# Altium PCB ZeroPilot3.0.PcbDoc (part 2 of 2)
Units mm, origin at the board's own origin, x right, y up, seen from the top; angles counter-clockwise.
Board outline 75 x 75 mm, 4 copper layers (L01, L02, L03, L04), stack 1.564 mm thick; 136 components, 114 nets, 604 pads, 529 vias.
Unrouted connection lines stored in the file: 6.
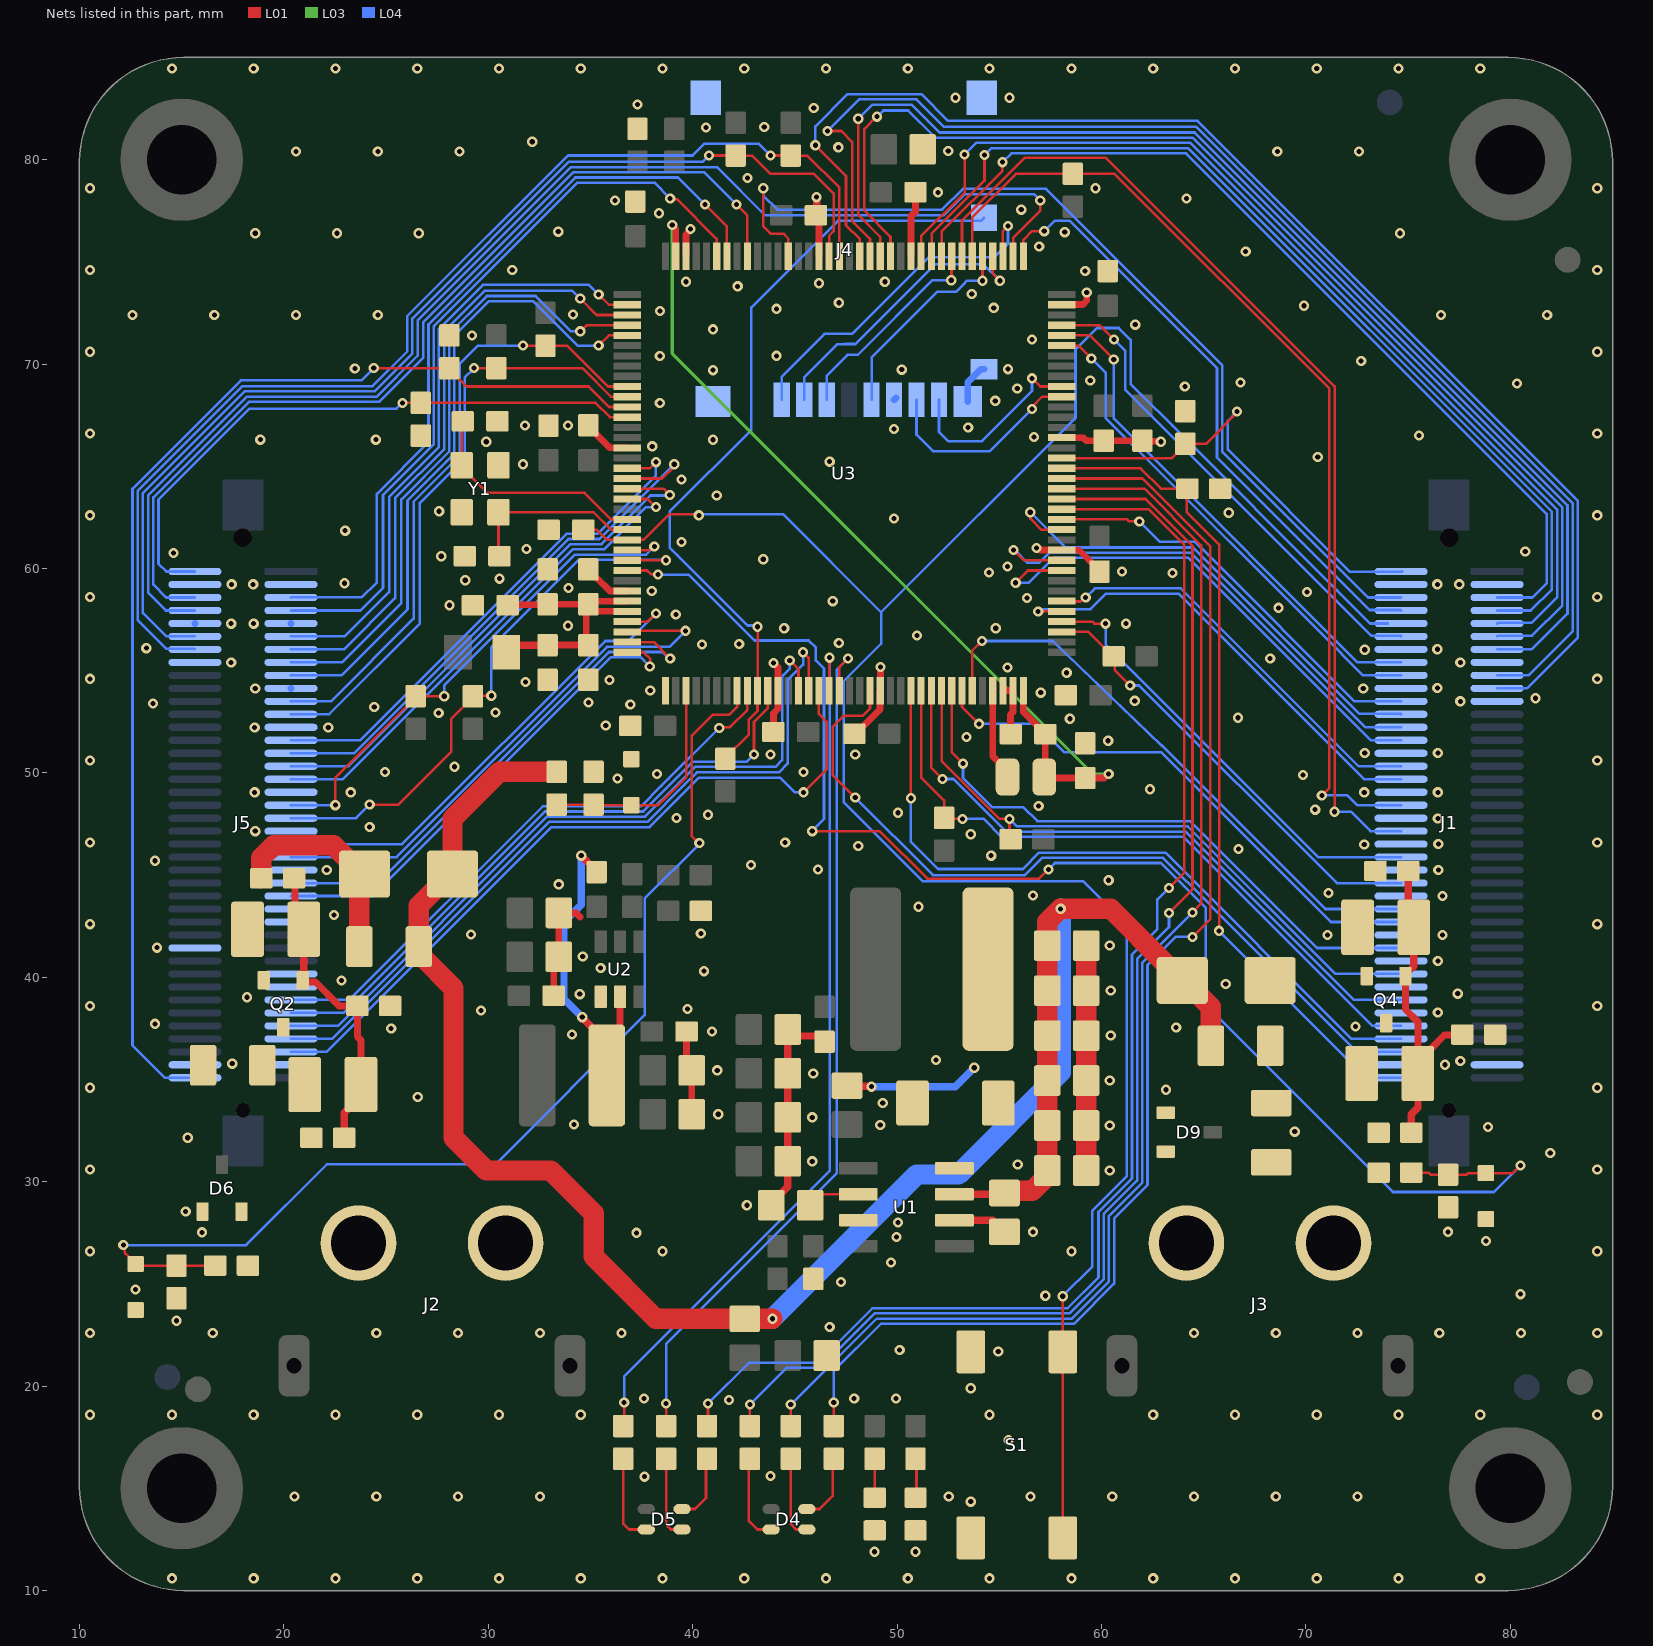
[diagram p4: the nets of this part, all layers, seen from the top]

## Via types
v1: diameter 0.5, hole 0.25, L01 to L04, tented both sides, 529 vias

## Nets (pads, with @x,y where several pads share a name; then routed paths per layer and width w, separated by ;. In a path a pad name is that pad's centre, name@x,y a point inside that pad or via, vN(x,y) a via of type N, cw(c..) or ccw(c..) an arc to the next point about the centre after c; other vN are vias at no path point) (continued)
GND: C1.1 C2.1 C3.1 C4.1 C5.1 C6.1 C8.1 C9.1 C11.1 C12.1 C13.1 C14.1 C15.1 C16.1 C17.1 C18.1 C19.1 C20.1 C21.1 C22.1 C23.1 C24.1 C25.1 C26.1 C27.1 C28.1 C29.1 C30.1 C31.1 C32.1 C33.1 C34.1 C35.1 C36.1 C39.1 C40.1 C43.1 C44.1 C45.1 C46.1 C47.1 C48.1 C49.1 D1.1 D2.2 D3.2 D6.1 D8.1 D9.1 D11.1 D12.1 J1.2 J1.8 J1.11 J1.39 J1.42 J1.47 J1.50 J1.55 J1.58 J1.60 J1.62 J1.64 J1.66 J1.69 J1.71 J1.73 J1.75 J1.79 J2.2 J3.2 J4.6 J4.10 J4.G1 J4.G2 J4.G3 J4.G4 J5.2 J5.5 J5.10 J5.13 J5.18 J5.21 J5.24 J5.27 J5.28 J5.32 J5.33 J5.39 J5.42 J5.45 J5.48 J5.70 J5.79 R3.1 R5.1 R13.1 R27.1 R36.1 R37.1 R48.1 R49.1 R50.1 R54.1 R55.1 R56.1 R57.1 S1.3 S1.4 U1.3 U1.6 U2.1 U3.16 U3.30 U3.37 U3.48 U3.58 U3.70 U3.71 U3.83 U3.94 U3.107 U3.120 U3.129 U3.142 Y1.2 Y1.4 | length 68.5
  L01 w0.33: C30.1@33.2,39.1 33.2,40.75 C13.1@33.45,41 C14.1@33.45,43.15 34.3,43.15 34.494,42.956 ; C47.1@34.9,59.95 34.9,59.9 35.235,59.565 35.285,59.565 35.95,58.9 U3.30@36.8,58.9 ; C19.1@34.9,67 34.9,66.95 35.95,65.9 U3.16@36.8,65.9 ; U3.142@39.675,75.275 39.675,76.329 39.9,76.554 v1(39.9,76.6) ; C9.1@39.7,37.35 39.7,35.7 C8.1@39.95,35.45 C2.1@39.95,33.3 ; C22.1@43.95,52 43.95,52.915 44.175,53.14 U3.48@44.175,54.025 44.175,55.15 v1(43.95,55.375) ; C17.1@46.115,76.985 46.135,76.985 46.175,76.945 U3.129@46.175,75.275 ; C23.1@47.916,51.916 47.966,51.916 48.471,52.422 48.482,52.422 49.165,53.104 49.165,54.015 U3.58@49.175,54.025 49.185,54.035 v1(49.185,55.185) ; U3.120@50.675,75.275 50.675,77.225 ; U3.70@55.185,54.015 U3.70@55.175,54.025 U3.71@55.675,54.025 55.675,52.975 55.55,52.85 C16.1@55.55,51.9 ; v1(56.825,61) 56.871,61 56.971,60.9 U3.83@58.05,60.9 58.06,60.89 58.91,60.89 C25.1@59.8,60 ; U3.94@58.05,66.4 59.1,66.4 59.25,66.25 C27.1@62,66.25 62.028,66.222 62.878,66.222 v1(62.9,66.2) ; U3.107@58.05,72.9 58.06,72.91 59.085,72.91 59.278,73.103 59.278,73.497 v1(59.275,73.5)
  L01 w0.356: C15.1@43.85,28.85 43.85,28.95 44.65,29.75 C11.1@44.65,31 C4.1@44.65,33.15 C12.1@44.65,35.3 C6.1@44.65,37.45 44.972,37.128 46.172,37.128 C5.1@46.45,36.85 ; C17.1@45.976,77.28 46.063,77.367 v1(46.063,78.163) ; 50.675,77.225 50.9,77.45 C29.1@50.9,78.4 ; U1.6@52.8,28.115 54.685,28.115 C1.1@55.25,27.55 C1.1@55.35,27.55
  L01 w1: C44.1@59.25,30.55 C49.1@59.25,32.75 C39.1@59.25,34.95 C40.1@59.25,37.15 C43.1@59.25,39.35 C3.1@59.25,41.55
  L04 w0.33: J5.45@15.65,57.31 J5.45@15.654,57.306 ; J5.10@20.346,54.131 J5.10@20.35,54.135 ; J5.5@20.346,57.306 J5.5@20.35,57.31 ; J4.6@49.85,68.25 J4.6@49.942,68.342 ; J4.G1@53.45,68.17 53.45,69.1 54.1,69.75 J4.10@54.25,69.75
  other v1: 14.525,10.6 18.525,10.6 22.525,10.6 26.525,10.6 30.525,10.6 34.525,10.6 38.525,10.6 42.525,10.6 46.525,10.6 50.525,10.6 54.525,10.6 58.525,10.6 62.525,10.6 66.525,10.6 70.525,10.6 74.525,10.6 78.525,10.6 48.9,11.9 50.9,11.9 53.6,14.35 20.525,14.6 24.525,14.6 28.525,14.6 32.525,14.6 52.525,14.6 56.525,14.6 60.525,14.6 64.525,14.6 68.525,14.6 72.525,14.6 37.65,15.575 43.8,15.6 55.45,17.35 10.525,18.6 14.525,18.6 18.525,18.6 22.525,18.6 26.525,18.6 30.525,18.6 34.525,18.6 54.525,18.6 62.525,18.6 66.525,18.6 70.525,18.6 74.525,18.6 78.525,18.6 84.25,18.6 41.775,19.325 37.625,19.4 47.9,19.4 49.95,19.4 53.6,19.9 54.95,21.7 50.125,21.775 10.525,22.6 16.525,22.6 24.525,22.6 28.525,22.6 32.525,22.6 36.525,22.6 64.525,22.6 68.525,22.6 72.525,22.6 76.525,22.6 80.525,22.6 84.25,22.6 46.7,22.9 14.75,23.2 57.25,24.425 80.5,24.5 12.75,24.725 47.25,25.1 49.7,26.05 10.525,26.6 38.525,26.6 58.525,26.6 84.25,26.6 78.8,27.1 49.975,27.3 37.25,27.5 16,27.525 56.65,27.55 76.95,27.55 50.05,28 15.2,28.55 42.65,28.85 60.4,30.55 10.525,30.6 84.25,30.6 55.9,30.85 45.85,31 81.95,31.4 15.3,32.15 69.45,32.45 78.9,32.675 60.4,32.75 49.175,32.775 34.2,32.8 45.85,33.15 41.25,33.3 49.3,33.85 26.55,34.15 63.15,34.5 10.525,34.6 84.25,34.6 60.4,34.95 45.9,35.3 41.2,35.45 76.8,35.725 17.475,35.775 77.55,35.9 51.9,35.95 60.45,37.15 34.1,37.2 40.95,37.35 25.25,37.5 63.65,37.55 72.425,37.6 13.7,37.725 76.45,38.275 29.65,38.375 39.75,38.45 10.525,38.6 84.25,38.6 18.2,39.025 34.475,39.175 77.425,39.2 60.45,39.35 66.075,39.675 22.825,39.85 40.55,40.3 35.5,40.45 76.45,40.8 34.625,41.025 13.8,41.45 60.4,41.55 71.05,42.075 76.675,42.075 29.15,42.1 40.4,42.15 10.525,42.6 84.25,42.6 22.45,43.05 51.05,43.45 76.675,43.975 56.65,44 71.1,44.125 33.45,44.55 60.35,44.75 22.1,45.25 76.475,45.25 46.125,45.275 42.85,45.5 13.7,45.7 54.6,45.95 66.7,46.275 48.1,46.425 72.85,46.5 76.475,46.525 10.525,46.6 44.525,46.6 84.25,46.6 53.6,47 18.6,47.15 24.2,47.35 76.45,47.775 39.215,47.796 40.75,47.95 50.05,48.05 70.45,48.2 56.925,48.375 18.575,49.05 23.275,49.05 72.85,49.05 76.45,49.05 62.375,49.2 36.325,49.725 69.85,49.9 38.25,49.95 24.95,50.05 45.425,50.05 28.35,50.3 10.525,50.6 84.25,50.6 43.8,50.9 47.95,50.9 72.875,50.975 76.45,50.975 60.325,51.575 53.4,51.75 18.575,52.225 22.175,52.225 35.75,52.325 58.45,52.65 66.675,52.7 27.575,52.925 30.35,52.95 24.425,53.225 36.95,53.35 13.6,53.4 34.9,53.45 77.55,53.5 61.625,53.525 81.225,53.65 57.025,53.925 37.925,54.025 18.6,54.125 72.8,54.125 76.425,54.15 31.825,54.45 35.925,54.55 10.525,54.6 84.25,54.6 58.294,54.896 55.4,55.15 17.425,55.4 77.55,55.4 68.25,55.6 72.875,56.025 76.425,56.05 13.275,56.1 40.45,56.275 42.275,56.3 47.15,56.35 50.975,56.725 44.475,57.075 54.825,57.075 33.9,57.2 17.425,57.3 18.525,57.3 61.2,57.3 39.175,57.75 68.65,58.075 28.1,58.2 46.85,58.4 56.35,58.55 10.525,58.6 84.25,58.6 70.05,58.85 38,58.9 33.925,59.05 17.45,59.225 18.5,59.225 76.425,59.225 77.5,59.225 22.975,59.275 28.875,59.425 30.55,59.5 63.475,59.775 54.5,59.8 61,59.85 55.4,60.1 43.45,60.45 27.7,60.6 14.6,60.75 80.725,60.825 31.875,60.95 39.45,61.3 23,61.85 49.85,62.45 10.525,62.6 84.25,62.6 66.225,62.725 27.6,62.8 41.175,63.575 39.45,64.35 31.7,65.1 46.7,65.225 70.575,65.45 38.025,65.975 29.9,66.2 18.85,66.3 24.5,66.3 40.994,66.296 56.7,66.425 75.525,66.5 10.525,66.6 84.25,66.6 49.85,66.825 53.475,66.9 31.8,67 33.9,67 38.394,68.096 54.8,68.2 55.875,68.8 64.075,68.9 80.325,69.05 66.794,69.096 59.45,69.2 41,69.7 50.225,69.725 55.425,69.75 23.475,69.775 72.7,70.15 38.394,70.396 44.1,70.4 10.525,70.6 84.25,70.6 56.6,71.2 29.2,71.4 40.994,71.696 61.65,71.925 12.6,72.4 16.6,72.4 20.6,72.4 24.6,72.4 76.6,72.4 81.8,72.4 34.15,72.425 38.4,72.6 44.1,72.7 54.725,72.75 69.9,72.85 47.15,73 53.65,73.425 42.2,73.8 46.175,73.95 39.675,74.025 49.4,74.025 59.2,74.55 10.525,74.6 31.175,74.6 84.25,74.6 67.05,75.5 56.95,75.75 18.6,76.4 22.6,76.4 26.6,76.4 74.6,76.4 58.2,76.45 33.425,76.475 38.35,77.375 56.075,77.55 36.2,78 64.15,78.1 52,78.4 10.525,78.6 59.7,78.6 84.25,78.6 42.675,79.1 20.6,80.4 24.6,80.4 28.6,80.4 68.6,80.4 72.6,80.4 52.5,80.425 47.125,80.6 32.15,80.875 40.65,81.575 43.5,81.6 45.925,82.525 37.3,82.7 52.85,83.025 55.5,83.025 14.525,84.45 18.525,84.45 22.525,84.45 26.525,84.45 30.525,84.45 34.525,84.45 38.525,84.45 42.525,84.45 46.525,84.45 50.525,84.45 54.525,84.45 58.525,84.45 62.525,84.45 66.525,84.45 70.525,84.45 74.525,84.45 78.525,84.45
GPIO_1: J5.34 U3.45 | length 29.2
  L01 w0.127: v1(41.3,52.2) 41.334,52.234 41.834,52.234 42.675,53.075 U3.45@42.675,54.025
  L04 w0.127: J5.34@20.35,38.895 23.195,38.895 32.666,48.366 37.466,48.366 38.483,49.382 38.485,49.382 38.817,49.715 38.817,49.717 v1(41.3,52.2)
GPIO_2: J5.35 U3.47 | length 31.3
  L01 w0.127: v1(43,50.9) 43,52.5 43.675,53.175 U3.47@43.675,54.025
  L04 w0.127: J5.35@20.35,38.26 22.919,38.26 32.771,48.112 37.574,48.112 39.071,49.61 39.071,49.612 40.013,50.554 42.654,50.554 v1(43,50.9)
GPIO_3: J5.36 U3.50 | length 36.1
  L01 w0.127: v1(44.75,55.5) 45.175,55.075 U3.50@45.175,54.025
  L04 w0.127: J5.36@20.35,37.625 22.643,37.625 32.876,47.858 37.679,47.858 39.325,49.505 39.325,49.507 40.118,50.3 44.05,50.3 44.375,50.625 44.375,54.725 44.75,55.1 v1(44.75,55.5)
GPIO_4: J5.37 U3.51 | length 37.6
  L01 w0.127: v1(45.4,55.9) 45.675,55.625 U3.51@45.675,54.025
  L04 w0.127: J5.37@20.35,36.99 22.368,36.99 32.982,47.604 37.784,47.604 39.579,49.399 39.579,49.402 40.203,50.025 44.225,50.025 44.65,50.45 44.65,54.55 45.4,55.3 v1(45.4,55.9)
GPIO_5: J5.38 U3.52 | length 36.5
  L01 w0.127: v1(45.425,49.05) 46.55,50.175 46.55,52.5 46.175,52.875 U3.52@46.175,54.025
  L04 w0.127: J5.38@20.35,36.355 22.092,36.355 33.087,47.35 37.889,47.35 39.874,49.335 39.874,49.338 40.308,49.771 44.279,49.771 45,49.05 v1(45.425,49.05)
GPIO_6: J1.3 U3.117 | length 46.1
  L01 w0.127: U3.117@52.175,75.275 52.175,76.475 55.15,79.45 v1(55.15,79.875)
  L04 w0.127: v1(55.15,79.875) 55.584,80.309 64.136,80.309 81.776,62.669 81.776,59.276 81.08,58.58 J1.3@79.35,58.58
GPIO_7: J1.4 U3.118 | length 48.2
  L01 w0.127: U3.118@51.675,75.275 51.688,75.288 51.688,76.388 54.275,78.975 v1(54.275,80.225)
  L04 w0.127: v1(54.275,80.225) 54.613,80.563 64.241,80.563 82.03,62.774 82.03,58.98 80.995,57.945 J1.4@79.35,57.945
GPIO_8: J1.5 U3.119 | length 50.3
  L01 w0.127: U3.119@51.175,75.275 51.179,75.279 51.179,76.254 53.3,78.375 v1(53.3,80.25)
  L04 w0.127: v1(53.3,80.25) 53.867,80.817 64.346,80.817 82.284,62.879 82.284,58.584 81.053,57.353 79.393,57.353 J1.5@79.35,57.31
GPIO_9: J1.6 U3.122 | length 57.9
  L01 w0.127: v1(49.023,82.1) 49.003,82.1 48.4,81.497 48.4,77.5 49.675,76.225 U3.122@49.675,75.275
  L04 w0.127: v1(49.023,82.1) 49.323,82.4 50.541,82.4 51.866,81.075 51.966,81.075 51.97,81.071 64.452,81.071 82.538,62.985 82.538,58.188 81.068,56.718 79.393,56.718 J1.6@79.35,56.675
GPIO_10: J1.7 U3.123 | length 59.7
  L01 w0.127: v1(48.1,82) 48.1,77.3 49.175,76.225 U3.123@49.175,75.275
  L04 w0.127: v1(48.1,82) 48.792,82.692 50.708,82.692 52.075,81.325 64.557,81.325 82.792,63.09 82.792,57.792 81.04,56.04 J1.7@79.35,56.04
GPIO_IL_A: J1.41 R54.2 U3.92 | length 22.4
  L01 w0.127: U3.92@58.05,65.4 63.444,65.4 64.1,66.056 R54.2@64.1,66.1 ; R54.2@64.3,66.1 64.4,66.1 64.5,66.1 65.1,66.1 66.625,67.625 v1(66.625,67.675)
  L04 w0.127: v1(66.625,67.675) 66.175,67.225 66.175,65.809 72.147,59.838 74.678,59.838 J1.41@74.7,59.859
GPIO_IL_B: J1.80 R55.2 U3.91 | length 40.7
  L01 w0.127: U3.91@58.05,64.9 61.906,64.9 62.906,63.9 R55.2@64.2,63.9 ; R55.2@64.164,63.9 64.164,62.761 65.75,61.175 v1(65.75,42.275)
  L04 w0.127: v1(65.75,42.275) 72.94,35.085 J1.80@74.65,35.085
GPIO_IL_C: J5.41 R56.2 U3.13 | length 30.3
  L01 w0.127: v1(25.8,68.1) R56.2@26.7,68.1 35.25,68.1 35.95,67.4 U3.13@36.8,67.4
  L04 w0.127: J5.41@15.65,59.85 14.25,59.85 13.87,60.23 13.87,63.37 18.32,67.82 25.52,67.82 v1(25.8,68.1)
GPIO_IL_D: J5.80 R57.2 U3.12 | length 58.4
  L01 w0.127: v1(24.4,69.8) R57.2@28.1,69.8 ; R57.2@28.084,69.759 28.944,68.9 34.907,68.9 35.907,67.9 U3.12@36.8,67.9
  L04 w0.127: J5.80@15.65,35.085 14.18,35.085 12.6,36.665 12.6,63.896 17.904,69.2 23.8,69.2 v1(24.4,69.8)
I2C1_SCL: J5.46 R9.1 U3.128 | length 54.3
  L01 w0.127: v1(40.8,80.2) R9.1@42.1,80.2 ; R9.1@42.2,80.181 42.919,80.181 43.8,79.3 45.941,79.3 46.9,78.341 46.9,76.5 46.675,76.275 U3.128@46.675,75.275
  L04 w0.127: J5.46@15.65,56.675 14.25,56.675 13.108,57.817 13.108,63.686 18.084,68.662 24.444,68.662 26.292,70.51 26.292,72.233 33.959,79.9 40.5,79.9 v1(40.8,80.2)
I2C1_SDA: J5.47 R8.1 U3.127 | length 56.2
  L01 w0.127: v1(43.8,80.2) R8.1@44.8,80.2 ; R8.1@44.887,80.198 45.602,80.198 47.175,78.625 U3.127@47.175,75.275
  L04 w0.127: J5.47@15.65,56.04 15.627,56.063 14.262,56.063 12.854,57.471 12.854,63.791 17.979,68.916 24.338,68.916 26.038,70.616 26.038,72.338 33.9,80.2 39.997,80.2 40.565,80.767 43.232,80.767 v1(43.8,80.2)
I2C2_SCL: J5.12 R15.1 U3.11 | length 29.8
  L01 w0.127: v1(29.3,69.8) 29.4,69.8 R15.1@30.4,69.8 34.6,69.8 36,68.4 U3.11@36.8,68.4
  L04 w0.127: J5.12@20.35,52.865 20.354,52.869 22.219,52.869 26.65,57.3 26.65,63.204 28.854,65.408 28.854,69.354 29.219,69.719 v1(29.3,69.8)
I2C2_SDA: J5.11 R14.1 U3.10 | length 30.5
  L01 w0.127: v1(31.7,70.9) R14.1@32.8,70.9 33.859,70.9 35.859,68.9 U3.10@36.8,68.9
  L04 w0.127: J5.11@20.35,53.5 20.354,53.504 22.304,53.504 26.35,57.55 26.35,63.263 28.6,65.513 28.6,70 29.5,70.9 v1(31.7,70.9)
I2C3_SCL: J5.19 R21.1 U3.26 | length 25.6
  L01 w0.127: v1(22.52,48.42) 22.52,49.77 26.45,53.7 R21.1@26.45,53.75 v1(27.85,53.75) ; U3.26@36.8,60.9 37.864,60.9 38.039,61.075 v1(38.125,61.075)
  L04 w0.127: J5.19@20.35,48.42 v1(22.52,48.42) ; v1(27.85,53.75) 27.85,54.291 34.234,60.675 34.316,60.675 34.32,60.679 37.729,60.679 v1(38.125,61.075)
I2C3_SDA: J5.20 R20.1 U3.27 | length 27.9
  L01 w0.127: v1(24.2,48.45) 25.6,48.45 28.2,51.05 28.2,52.65 29.25,53.7 R20.1@29.25,53.75 29.275,53.775 v1(30.15,53.775) ; U3.27@36.8,60.4 v1(38.7,60.4)
  L04 w0.127: J5.20@20.35,47.785 23.535,47.785 v1(24.2,48.45) ; v1(30.15,53.775) 30.15,56.15 34.425,60.425 38.675,60.425 v1(38.7,60.4)
LED1: R53.2 U3.53 | length 43.6
  L01 w0.127: R53.2@36.65,17.85 v1(36.65,19.2) ; U3.53@46.675,54.025 46.688,54.037 v1(46.688,55.638)
  L04 w0.127: v1(36.65,19.2) 36.65,20.475 46.704,30.529 46.704,55.621 v1(46.688,55.638)
LED2: R52.2 U3.54 | length 43.2
  L01 w0.127: R52.2@38.7,17.8 v1(38.7,19.15) ; U3.54@47.175,54.025 47.175,55.187 47.588,55.6 v1(47.6,55.6)
  L04 w0.127: v1(38.7,19.15) 38.7,22.075 47.05,30.425 47.05,55.05 v1(47.6,55.6)
LED3: R25.2 U3.87 | length 67.4
  L01 w0.127: R25.2@40.7,17.7 40.75,17.75 v1(40.75,19.15) ; U3.87@58.05,62.9 62.3,62.9 64.05,61.15 64.05,45.125 v1(63.3,44.375)
  L04 w0.127: v1(40.75,19.15) 42.746,21.146 46.128,21.146 48.794,23.812 58.334,23.812 59.85,25.328 59.85,28.528 61.488,30.166 61.488,41.113 62.733,42.357 62.733,43.385 62.735,43.388 62.735,43.81 v1(63.3,44.375)
LED4: R24.2 U3.88 | length 66.3
  L01 w0.127: R24.2@42.8,17.7 v1(42.8,19.1) ; U3.88@58.05,63.4 62.159,63.4 64.45,61.109 64.45,44.3 v1(63.3,43.15)
  L04 w0.127: v1(42.8,19.1) 44.592,20.892 46.233,20.892 48.899,23.558 58.44,23.558 60.104,25.222 60.104,28.422 61.742,30.06 61.742,40.892 63.3,42.45 v1(63.3,43.15)
LED5: R23.2 U3.89 | length 65.3
  L01 w0.127: R23.2@44.8,17.7 v1(44.8,19.1) ; U3.89@58.05,63.9 62.1,63.9 64.875,61.125 64.875,43.6 v1(64.45,43.175)
  L04 w0.127: v1(44.8,19.1) 49.004,23.304 58.545,23.304 60.358,25.117 60.358,28.317 61.996,29.955 61.996,40.715 v1@64.45,43.169
LED6: R22.2 U3.90 | length 65.7
  L01 w0.127: R22.2@46.9,17.7 v1(46.9,19.2) ; U3.90@58.05,64.4 62,64.4 65.325,61.075 65.325,42.85 v1(64.45,41.975)
  L04 w0.127: v1(46.9,19.2) 46.9,20.75 49.2,23.05 58.65,23.05 60.612,25.012 60.612,28.212 62.25,29.85 62.25,40.6 63.625,41.975 v1(64.45,41.975)
LPUART1_RX: J1.68 U3.66 | length 26.6
  L01 w0.127: U3.66@53.175,54.025 53.175,53.225 v1(54,52.4)
  L04 w0.127: v1(54,52.4) 56.8,52.4 58.2,51 62.926,51 71.221,42.705 J1.68@74.65,42.705
LPUART1_TX: J1.67 U3.67 | length 28.5
  L01 w0.127: U3.67@53.675,54.025 53.675,55.975 v1(54.15,56.45)
  L04 w0.127: v1(54.15,56.45) 57.615,56.45 62.944,51.339 62.981,51.304 70.945,43.34 J1.67@74.65,43.34
NetC35_2: C35.2 U3.23 Y1.1 | length 11.3
  L01 w0.127: Y1.1@28.7,64.967 29.967,63.7 34.713,63.7 36.009,62.405 36.795,62.405 U3.23@36.8,62.4 ; Y1.1@28.7,65.05 28.7,67.15 C35.2@28.75,67.2
NetC36_2: C36.2 U3.24 Y1.3 | length 8.8
  L01 w0.127: C36.2@30.55,60.6 30.5,60.65 Y1.3@30.5,62.75 35.159,62.75 36.009,61.901 U3.24@36.8,61.9
NetC37_1: C37.1 C38.1 Q2.1 R32.1 R34.1 R36.2 | length 15.3
  L01 w0.356: R32.1@20.5,44.85 20.55,44.8 20.55,42.775 C38.1@20.975,42.35 20.975,39.912 Q2.1@20.923,39.86 21.014,39.769 21.548,39.769 22.717,38.6 R36.2@23.65,38.6 ; R34.1@22.95,32.15 22.95,33.375 23.775,34.2 23.775,36.925 23.6,37.1 R36.2@23.6,38.6
NetC38_2: C38.2 D7.1 Q2.2 R29.2 R30.1 R32.2 | length 10.5
  L01 w1: R32.2@18.9,44.85 18.9,45.85 19.5,46.45 22.45,46.45 23.85,45.05 D7.1@23.95,45.05 23.7,44.8 R30.1@23.7,41.5
NetC41_1: C41.1 C42.1 Q4.1 R43.1 R46.1 R48.2 | length 16.7
  L01 w0.356: Q4.1@74.873,39.91 74.873,38.427 75.475,37.825 C41.1@75.475,35.3 ; Q4.1@74.873,40.06 74.873,40.21 74.995,40.332 75.067,40.332 75.275,40.541 C42.1@75.275,42.45 75,42.725 R43.1@75,45.2 ; R46.1@75.15,32.4 75.15,33.3 75.475,33.625 C41.1@75.475,35.3 ; R48.2@77.65,37.2 77.625,37.175 76.775,37.175 76.097,36.497 76.097,35.922 C41.1@75.475,35.3
NetC42_2: C42.2 D10.1 Q4.2 R40.2 R41.1 R43.2
NetD2_1: D2.1 R6.1 | length 1.4
  L01 w0.127: D2.1@48.9,14.545 R6.1@48.9,15.95
NetD3_1: D3.1 R7.1 | length 1.4
  L01 w0.127: D3.1@50.95,14.545 R7.1@50.95,15.95
NetD4_2: D4.2 R22.1 | length 2.9
  L01 w0.127: D4.2@45.585,13.99 46.215,13.99 46.85,14.625 R22.1@46.85,15.95
NetD4_3: D4.3 R23.1 | length 4.1
  L01 w0.127: R23.1@44.8,16.45 44.8,13.25 45.06,12.99 D4.3@45.585,12.99
NetD4_4: D4.4 R24.1 | length 3.8
  L01 w0.127: R24.1@42.75,15.95 42.75,13.4 43.16,12.99 D4.4@43.835,12.99
NetD5_2: D5.2 R25.1 | length 2.8
  L01 w0.127: D5.2@39.48,13.99 40.115,13.99 40.65,14.525 40.65,15.9 R25.1@40.7,15.95
NetD5_3: D5.3 R52.1 | length 3.6
  L01 w0.127: R52.1@38.65,15.95 38.705,15.895 38.705,13.22 38.935,12.99 D5.3@39.48,12.99
NetD5_4: D5.4 R53.1 | length 3.9
  L01 w0.127: R53.1@36.6,15.95 36.6,13.275 36.885,12.99 D5.4@37.73,12.99
NetD8_2: D8.2 R35.1 R37.2 U3.44 | length 53.8
  L01 w0.127: v1(12.15,26.9) 12.221,26.829 12.221,26.504 12.825,25.9 R35.1@16.647,25.9 ; v1(40.325,46.575) 40.288,46.575 39.95,46.913 39.95,51.8 41,52.85 41.791,52.85 42.175,53.234 U3.44@42.175,54.025
  L04 w0.127: v1(12.15,26.9) 18.15,26.9 22.1,30.85 30.35,30.85 37.65,38.15 37.65,43.85 40.325,46.525 v1(40.325,46.575)
NetD12_2: D12.2 R47.1 R50.2 U3.28 | length 71.7
  L01 w0.127: U3.28@36.8,59.9 37.775,59.9 37.953,59.722 38.277,59.722 v1(38.299,59.7) ; v1(45.85,47.15) 49.15,47.15 51.475,44.825 56.95,44.825 v1(57.4,45.275) ; R47.1@75.15,30.45 76,30.45 76.1,30.35 R50.2@76.95,30.35 77.863,30.35 77.937,30.425 D12.2@78.8,30.425 80.125,30.425 v1(80.5,30.8)
  L04 w0.127: v1(38.299,59.7) 39.8,59.7 43.025,56.475 45.675,56.475 46.025,56.125 46.025,55.497 46.425,55.097 46.425,47.75 45.85,47.175 v1(45.85,47.15) ; v1(57.4,45.275) 57.717,45.592 62.905,45.592 65.1,43.397 65.1,38.65 74.25,29.5 79.2,29.5 v1(80.5,30.8)
NetJ4_1: J4.1 U3.111 | length 17.3
  L01 w0.127: U3.111@55.175,75.275 55.175,76.5 v1(55.425,76.75)
  L04 w0.127: J4.1@44.35,68.25 44.35,69.375 46.45,71.475 47.8,71.475 51.55,75.225 54.775,75.225 55.425,75.875 v1(55.425,76.75)
NetJ4_2: J4.2 U3.112 | length 14.6
  L01 w0.127: U3.112@54.675,75.275 54.688,75.262 54.688,74.413 v1(55.025,74.075)
  L04 w0.127: J4.2@45.45,68.25 45.45,69.35 47.075,70.975 47.45,70.975 47.454,70.979 47.954,70.979 51.85,74.875 54.225,74.875 v1(55.025,74.075)
NetJ4_3: J4.3 U3.116 | length 10.4
  L01 w0.127: v1(52.65,74.1) 52.662,74.112 52.662,75.262 U3.116@52.675,75.275
  L04 w0.127: J4.3@46.55,68.25 46.55,69.425 47.575,70.45 48.075,70.45 51.725,74.1 v1(52.65,74.1)
NetJ4_5: J4.5 U3.113 | length 10.3
  L01 w0.127: v1(54.175,74.075) U3.113@54.175,75.275
  L04 w0.127: J4.5@48.75,68.25 48.75,70.325 51.957,73.532 52.882,73.532 52.885,73.532 53.217,73.865 53.217,73.867 53.425,74.075 v1(54.175,74.075)
NetJ4_7: J4.7 U3.98 | length 10.3
  L01 w0.127: v1(56.6,67.8) 56.6,67.901 57.099,68.4 U3.98@58.05,68.4
  L04 w0.127: J4.7@50.95,68.26 50.95,66.55 51.775,65.725 54.525,65.725 v1(56.6,67.8)
NetJ4_8: J4.8 U3.99 | length 9.6
  L01 w0.127: v1(56.6,69.3) 56.608,69.3 57.008,68.9 U3.99@58.05,68.9
  L04 w0.127: J4.8@52.05,68.26 52.05,66.679 52.496,66.233 54.152,66.233 56.6,68.68 v1(56.6,69.3)
NetJ4_9: J4.9 R58.1 U3.46 | length 39.6
  L01 w0.127: R58.1@41.6,50.7 41.6,50.744 42.746,51.89 42.746,52.605 43.169,53.028 U3.46@43.169,54.019 ; U3.46@43.175,54.025 v1(43.175,57.15)
  L04 w0.127: v1(43.175,57.15) 43.116,57.209 42.693,57.209 39.267,60.635 38.875,61.028 38.875,62.775 42.875,66.775 42.875,72.775 47.1,77 54.1,77 J4.9@54.25,77.15
NetL3_1: L3.1 U3.69 | length 4.6
  L01 w0.33: U3.69@54.675,54.025 54.675,50.825 55.4,50.1 L3.1@55.4,49.7
NRST: C34.2 J1.45 S1.1 S1.2 U3.25 | length 114.8
  L01 w0.127: C34.2@34.65,61.9 34.66,61.89 35.316,61.89 35.806,61.4 U3.25@36.8,61.4 37.6,61.4 38.858,62.658 40.242,62.658 v1(40.3,62.6) ; v1(58.1,24.4) 58.1,21.691 S1.2@58.109,21.682 S1.1@58.109,12.582
  L04 w0.127: v1(40.3,62.6) 40.358,62.658 44.418,62.658 49.217,57.858 ; v1(58.1,24.4) 59.55,25.85 59.55,28.587 61.234,30.271 61.234,42.566 59.1,44.7 51.247,44.7 47.383,48.565 47.383,54.483 49.217,56.317 49.217,57.858 ; J1.45@74.002,57.31 73.14,57.31 71.525,58.925 63.468,66.983 61.983,68.467 61.421,69.029 61.421,71.181 60.84,71.763 59.788,71.763 58.725,70.7 58.725,67.366 49.217,57.858
PWR_SENSE: D11.2 R44.1 R49.2 U3.39 | length 11.2
  L01 w0.127: R44.1@33.35,48.45 R49.2@35.15,48.45 35.175,48.425 D11.2@37,48.425 38.325,48.425 39.685,49.785 39.685,54.015 U3.39@39.675,54.025
SMPS: C16.2 C46.2 L3.2 U3.72 U3.143 | length 44.9
  L01 w0.33: v1(39,76.8) 39,76.754 39.175,76.579 U3.143@39.175,75.275 U3.143@39.165,75.265 ; U3.72@56.175,54.025 56.175,52.975 C16.2@56.865,52.285 ; L3.2@57.2,49.65 57.25,49.7 C16.2@57.25,51.9
  L01 w0.356: L3.2@57.25,49.75 C46.2@58.9,49.75 ; C46.2@59.2,49.75 60.111,49.75 60.311,49.95 v1(60.35,49.95)
  L03 w0.152: v1(39,76.8) 39,70.508 59.558,49.95 v1(60.35,49.95)
SPI1_MISO: J1.72 R16.1 U3.64 | length 31.3
  L01 w0.127: U3.64@52.175,54.025 52.175,50.575 55,47.75 v1(55.5,47.75) 55.5,46.8 R16.1@55.55,46.75
  L04 w0.127: v1(55.5,47.75) 55.867,47.383 64.217,47.383 71.435,40.165 J1.72@74.65,40.165
SPI1_MOSI: J1.70 U3.65 | length 29.4
  L01 w0.127: U3.65@52.675,54.025 52.675,51 v1(53.225,50.45)
  L04 w0.127: v1(53.225,50.45) 53.225,49.75 54.658,48.318 56.18,48.318 56.86,47.637 64.338,47.637 70.54,41.435 J1.70@74.65,41.435
SPI1_NSS: J1.76 R18.1 U3.62 | length 33.2
  L01 w0.127: U3.62@51.175,54.025 51.175,49.775 52.3,48.65 52.3,47.834 52.384,47.75 v1(53.2,47.75)
  L04 w0.127: v1(53.2,47.75) 54.24,47.75 55.115,46.875 64.007,46.875 73.257,37.625 J1.76@74.65,37.625
SPI1_SCK: J1.74 U3.63 | length 31.5
  L01 w0.127: U3.63@51.675,54.025 51.675,50.25 v1(52.225,49.7)
  L04 w0.127: v1(52.225,49.7) 52.747,49.7 55.318,47.129 64.112,47.129 72.346,38.895 J1.74@74.65,38.895
SPI2_MISO: J1.65 R10.1 U3.75 | length 22.1
  L01 w0.127: U3.75@58.05,56.9 59.356,56.9 60.556,55.7 R10.1@60.65,55.7 ; R10.1@60.6,55.7 60.644,55.7 60.644,55.031 v1(61.4,54.275)
  L04 w0.127: v1(61.4,54.275) 61.843,54.275 71.508,44.61 J1.65@74.65,44.61
SPI2_MOSI: J1.63 U3.76 | length 22
  L01 w0.127: U3.76@58.05,57.4 59.55,57.4 59.65,57.3 v1(60.2,57.3)
  L04 w0.127: v1(60.2,57.3) 60.2,56.278 61.067,55.41 61.635,54.843 61.8,54.678 70.598,45.88 J1.63@74.65,45.88
SPI2_NSS: J1.59 R12.1 U3.114 | length 48.7
  L01 w0.127: U3.114@53.675,75.275 53.675,77.166 55.809,79.3 R12.1@58.6,79.3 60.643,79.3 71.142,68.801 71.142,49.268 v1(70.775,48.9)
  L04 w0.127: v1(70.775,48.9) 72.025,48.9 72.505,48.42 J1.59@74.65,48.42
SPI2_SCK: J1.61 U3.115 | length 50.3
  L01 w0.127: U3.115@53.175,75.275 53.175,77.025 56.25,80.1 60.203,80.1 71.4,68.903 v1(71.4,48.1)
  L04 w0.127: v1(71.4,48.1) 72.2,48.1 73.15,47.15 J1.61@74.65,47.15
SW_3V3: C10.1 L2.1 U2.2 | length 17.1
  L01 w0.356: v1(34.55,45.95) C10.1@35.25,45.25 ; v1(34.6,38.05) 34.6,38.025 35.8,36.825 L2.1@35.8,35.2 36.45,35.85 U2.2@36.45,39.05
  L04 w0.356: v1(34.55,45.95) 34.55,43.55 33.7,42.7 33.7,38.95 v1(34.6,38.05)
SW_5: C7.1 D1.2 L1.1 U1.8 | length 6.6
  L01 w0.356: C7.1@47.55,34.7 47.577,34.673 48.727,34.673 v1(48.75,34.65)
  L04 w0.356: v1(48.75,34.65) 52.85,34.65 v1(53.775,35.575)
SWCLK: J1.44 U3.109 | length 30.1
  L01 w0.127: U3.109@56.175,75.275 56.175,76.075 56.6,76.5 v1(57.2,76.5)
  L04 w0.127: v1(57.2,76.5) 57.717,77.017 58.435,77.017 65.646,69.807 65.646,65.429 71.779,59.296 73.106,57.969 74.626,57.969 J1.44@74.65,57.945
SWDIO: J1.46 U3.105 | length 24
  L01 w0.127: U3.105@58.05,71.9 59.9,71.9 v1(60.605,71.195)
  L04 w0.127: v1(60.605,71.195) 61.168,70.633 61.168,68.735 73.185,56.718 74.607,56.718 J1.46@74.65,56.675
SWO: J1.43 U3.132 | length 47.2
  L01 w0.127: v1(43.45,78.6) 43.45,76.75 43.818,76.382 44.431,76.382 44.675,76.138 U3.132@44.675,75.275
  L04 w0.127: v1(43.45,78.6) 43.45,78.247 44.147,77.55 52.2,77.55 53.217,78.567 57.283,78.567 65.9,69.95 65.9,65.725 73.045,58.58 J1.43@74.65,58.58
TIM1_CH1: J1.78 U3.57 | length 39.5
  L01 w0.127: v1(47.95,48.8) 46.85,49.9 46.85,52.25 47.4,52.8 48.326,52.8 48.675,53.149 U3.57@48.675,54.025
  L04 w0.127: v1(47.95,48.8) 51.75,45 56.25,45 57.096,45.846 63.011,45.846 65.354,43.503 65.354,43.496 72.495,36.355 J1.78@74.65,36.355
TIM1_CH2: J1.77 U3.61 | length 36
  L01 w0.127: v1(50.675,48.761) U3.61@50.675,54.025
  L04 w0.127: v1(50.675,48.761) 50.675,46.625 52,45.3 56.15,45.3 56.95,46.1 63.122,46.1 72.232,36.99 J1.77@74.65,36.99
TIM3_CH1: J5.6 U3.2 | length 30.1
  L01 w0.127: v1(35.4,73.4) 35.9,72.9 U3.2@36.8,72.9
  L04 w0.127: J5.6@20.35,56.675 22.975,56.675 25.15,58.85 25.15,63.5 27.584,65.934 27.584,71.725 29.734,73.875 34.925,73.875 v1(35.4,73.4)
TIM3_CH2: J5.7 U3.3 | length 30.5
  L01 w0.127: v1(34.5,73.2) 35.3,72.4 U3.3@36.8,72.4
  L04 w0.127: J5.7@20.35,56.04 20.354,56.044 22.944,56.044 25.45,58.55 25.45,63.441 27.838,65.829 27.838,71.597 29.824,73.583 34.117,73.583 v1(34.5,73.2)
TIM3_CH3: J5.8 U3.4 | length 31.1
  L01 w0.127: v1(34.5,71.6) 34.523,71.6 34.823,71.9 U3.4@36.8,71.9
  L04 w0.127: J5.8@20.35,55.405 22.855,55.405 25.75,58.3 25.75,63.382 28.092,65.724 28.092,71.492 29.929,73.329 32.321,73.329 34.05,71.6 v1(34.5,71.6)
TIM3_CH4: J5.9 U3.5 | length 31.6
  L01 w0.127: v1(35.4,70.9) 35.9,71.4 U3.5@36.8,71.4
  L04 w0.127: J5.9@20.35,54.77 22.82,54.77 26.05,58 26.05,63.322 28.346,65.618 28.346,71.387 30.034,73.075 32.2,73.075 34.375,70.9 v1(35.4,70.9)
TIM4_CH1: J1.54 U3.81 | length 25.5
  L01 w0.127: v1(55.8,59.3) 56.4,59.9 U3.81@58.05,59.9
  L04 w0.127: v1(55.8,59.3) 56.436,59.3 57.653,60.517 64.249,60.517 73.171,51.595 J1.54@74.65,51.595
TIM4_CH2: J1.53 U3.82 | length 25.5
  L01 w0.127: v1(55.7,60.9) 56.2,60.4 U3.82@58.05,60.4
  L04 w0.127: v1(55.7,60.9) 55.761,60.9 56.386,60.275 56.95,60.275 57.446,60.771 64.354,60.771 72.891,52.234 74.646,52.234 J1.53@74.65,52.23
TIM4_CH3: J1.52 U3.85 | length 24.3
  L01 w0.127: v1(56.514,62.75) 56.514,62.436 57.05,61.9 U3.85@58.05,61.9
  L04 w0.127: v1(56.514,62.75) 58.239,61.025 64.475,61.025 72.604,52.896 74.619,52.896 J1.52@74.65,52.865
TIM4_CH4: J1.51 U3.86 | length 20.3
  L01 w0.127: U3.86@58.05,62.4 58.061,62.411 61.242,62.411 61.353,62.3 v1(61.85,62.3)
  L04 w0.127: v1(61.85,62.3) 62.85,61.3 64.575,61.3 65.221,60.654 72.375,53.5 J1.51@74.65,53.5
TIM5_CH1: J5.14 U3.18 | length 25.4
  L01 w0.127: U3.18@36.8,64.9 37.9,64.9 v1(38.2,65.2)
  L04 w0.127: J5.14@20.35,51.595 23.717,51.595 33.817,61.695 35.336,61.695 38.2,64.559 v1(38.2,65.2)
TIM5_CH2: J5.15 U3.19 | length 27.3
  L01 w0.127: U3.19@36.8,64.4 38.501,64.4 39.1,64.999 v1(39.1,65.1)
  L04 w0.127: J5.15@20.35,50.96 23.442,50.96 33.923,61.441 35.441,61.441 v1(39.1,65.1)
TIM5_CH3: J5.16 U3.20 | length 26.2
  L01 w0.127: U3.20@36.8,63.9 38.577,63.9 v1(38.877,63.6)
  L04 w0.127: J5.16@20.35,50.325 23.166,50.325 34.028,61.187 35.546,61.187 37.927,63.568 38.845,63.568 v1(38.877,63.6)
TIM5_CH4: J5.17 U3.21 | length 24.9
  L01 w0.127: U3.21@36.8,63.4 37.8,63.4 v1(38.2,63)
  L04 w0.127: J5.17@20.35,49.69 22.89,49.69 34.133,60.933 35.651,60.933 37.718,63 v1(38.2,63)
TIM16_CH1: J5.3 U3.138 | length 38.2
  L01 w0.127: v1(40.6,77.8) 41.675,76.725 U3.138@41.675,75.275
  L04 w0.127: J5.3@20.35,58.58 20.354,58.584 23.809,58.584 24.55,59.325 24.55,63.65 27.076,66.176 27.076,71.939 34.261,79.125 39.275,79.125 v1(40.6,77.8)
TIM17_CH1: J5.4 U3.139 | length 37.5
  L01 w0.127: v1(38.9,78.1) 38.933,78.067 39.236,78.067 41.175,76.128 U3.139@41.175,75.275
  L04 w0.127: J5.4@20.35,57.945 23.745,57.945 24.85,59.05 24.85,63.591 27.33,66.071 27.33,71.83 34.371,78.871 38.129,78.871 v1(38.9,78.1)
UART4_CTS: J5.43 U3.136 | length 46.1
  L01 w0.127: v1(42.15,77.8) 42.675,77.275 U3.136@42.675,75.275
  L04 w0.127: J5.43@15.65,58.58 14.245,58.58 13.616,59.209 13.616,63.475 18.295,68.154 24.654,68.154 26.822,70.322 26.822,72.044 34.156,79.379 40.571,79.379 v1(42.15,77.8)
UART4_RTS: J5.44 U3.110 | length 63.5
  L01 w0.127: U3.110@55.675,75.275 55.675,76.175 56.996,77.496 56.996,77.996 v1(57,78)
  L04 w0.127: J5.44@15.65,57.945 14.23,57.945 13.362,58.813 13.362,63.58 18.19,68.408 24.549,68.408 26.546,70.405 26.546,72.128 34.051,79.633 41.193,79.633 43.55,77.275 52.275,77.275 52.296,77.296 52.305,77.296 53.323,78.313 56.687,78.313 v1(57,78)
UART4_RX: J5.23 U3.34 | length 26.8
  L01 w0.127: U3.34@36.8,56.9 36.85,56.95 v1(39.65,56.95)
  L04 w0.127: J5.23@20.35,45.88 25.512,45.88 35.799,56.167 38.867,56.167 v1(39.65,56.95)
UART4_TX: J5.22 U3.33 | length 24.1
  L01 w0.127: U3.33@36.8,57.4 37.8,57.4 v1(38.2,57.8)
  L04 w0.127: J5.22@20.35,46.515 25.787,46.515 35.726,56.454 36.854,56.454 v1(38.2,57.8)
USART1_CTS: J1.49 U3.103 | length 24.6
  L01 w0.127: U3.103@58.05,70.9 58.062,70.888 58.887,70.888 v1(59.5,70.275)
  L04 w0.127: v1(59.5,70.275) 60.2,69.575 60.2,67.368 61.793,65.775 61.796,65.775 70.675,56.896 72.801,54.77 J1.49@74.65,54.77
USART1_RTS: J1.48 U3.104 | length 24.9
  L01 w0.127: U3.104@58.05,71.4 59.425,71.4 v1(60.6,70.225)
  L04 w0.127: v1(60.6,70.225) 60.6,67.328 61.899,66.029 61.901,66.029 72.525,55.405 73.12,55.405 J1.48@74.65,55.405
USART1_RX: J1.10 U3.125 | length 65.1
  L01 w0.127: v1(46,80.7) 47.5,79.2 47.5,76.787 48.175,76.112 U3.125@48.175,75.275
  L04 w0.127: v1(46,80.7) 46,81.625 47.575,83.2 51.2,83.2 52.5,81.9 64.7,81.9 83.3,63.3 83.3,56.625 80.81,54.135 J1.10@79.35,54.135
USART1_TX: J1.9 U3.124 | length 63.5
  L01 w0.127: v1(46.6,81.4) 47.268,81.4 47.8,80.868 47.8,77 48.675,76.125 U3.124@48.675,75.275
  L04 w0.127: v1(46.6,81.4) 48.146,82.946 50.954,82.946 52.3,81.6 64.641,81.6 83.046,63.195 83.046,56.921 80.895,54.77 J1.9@79.35,54.77
USART2_RX: J5.26 U3.36 | length 24.2
  L01 w0.127: U3.36@36.8,55.9 37.6,55.9 37.934,55.566 37.934,55.234 v1(37.9,55.2)
  L04 w0.127: J5.26@20.35,43.975 20.354,43.979 24.329,43.979 36.009,55.659 37.441,55.659 v1(37.9,55.2)
USART2_TX: J5.25 U3.35 | length 25.8
  L01 w0.127: U3.35@36.8,56.4 38.1,56.4 v1(38.9,55.6)
  L04 w0.127: J5.25@20.35,44.61 24.601,44.61 35.904,55.913 38.526,55.913 38.839,55.6 v1(38.9,55.6)
USART3_RX: J1.56 U3.78 | length 20.5
  L01 w0.127: U3.78@58.05,58.4 58.066,58.384 58.973,58.384 59.164,58.575 v1(59.225,58.575)
  L04 w0.127: v1(59.225,58.575) 59.675,59.025 63.875,59.025 72.575,50.325 J1.56@74.65,50.325
USART3_TX: J1.57 U3.77 | length 23
  L01 w0.127: v1(56.9,57.9) U3.77@58.05,57.9
  L04 w0.127: v1(56.9,57.9) 56.971,57.971 57.125,57.971 57.161,58.008 59.46,58.008 60.224,58.771 63.754,58.771 72.835,49.69 J1.57@74.65,49.69
VBAT_A: C37.2 D6.2 J2.1 Q2.3 R29.1 R34.2 R35.2 | length 0.1
  L01 w0.6: J2.1@23.573,27.077 J2.1@23.65,27
VBAT_B: C41.2 D9.2 J3.1 Q4.3 R40.1 R46.2 R47.2
VBAT_PROTECTED: C1.2 C3.2 C39.2 C40.2 C43.2 C44.2 C49.2 D7.2 D10.2 R1.2 R30.2 R41.2 R44.2 U1.7 | length 100
  L01 w0.356: U1.7@52.8,29.385 C1.2@54.985,29.385
  L01 w1: R44.2@33.35,50.05 30.55,50.05 28.25,47.75 D7.2@28.25,45.05 28.15,45.05 26.6,43.5 26.6,41.15 26.75,41 26.775,41 28.3,39.475 28.3,32.15 29.9,30.55 33.05,30.55 35.15,28.45 35.15,26.35 38.2,23.3 R1.2@42.55,23.3 v1(43.9,23.3) ; C1.2@55.25,29.45 55.35,29.55 56.614,29.55 57.2,30.136 57.2,30.4 C44.2@57.35,30.55 C49.2@57.35,32.75 C39.2@57.35,34.95 C40.2@57.35,37.15 C43.2@57.35,39.35 C3.2@57.35,41.65 ; C3.2@57.35,41.55 57.35,42.714 57.986,43.35 v1(58,43.35) 60.45,43.35 63.2,40.6 63.2,40.5 63.85,39.85 D10.2@63.95,39.85 ; D10.2@64,39.9 65.35,38.55 R41.2@65.35,36.65
  L04 w1: v1(43.9,23.3) 50.954,30.354 53.004,30.354 58,35.35 v1(58,43.35)
VD: C15.2 U1.2 | length 2.6
  L01 w0.127: C15.2@45.75,28.85 46.285,29.385 U1.2@48.1,29.385
VDDA: C31.2 C32.2 C33.2 C47.2 C48.2 FB1.1 U3.31 U3.32 | length 14.1
  L01 w0.33: C48.2@30.95,58.2 30.975,58.225 32.875,58.225 C31.2@32.9,58.25 C47.2@34.8,58.25 ; C33.2@32.9,56.25 34.8,56.25 C47.2@34.8,58.25 ; C47.2@34.9,58.3 35,58.4 U3.31@36.8,58.4 ; U3.32@36.8,57.9 36.79,57.91 35.14,57.91 C47.2@34.8,58.25
  L01 w0.356: FB1.1@30.7,56.126 30.824,56.25 C33.2@32.9,56.25
pads on no net: D6.3 D9.3 FD1.1 FD2.1 FD3.1 FD4.1 FD5.1 FD6.1 J1. J1.13 J1.14 J1.15 J1.16 J1.17 J1.18 J1.19 J1.20 J1.21 J1.22 J1.23 J1.24 J1.25 J1.26 J1.27 J1.28 J1.29 J1.30 J1.31 J1.32 J1.33 J1.34 J1.35 J1.36 J1.37 J2.MH0 J2.MH1 J3.MH0 J3.MH1 J5. J5.50 J5.51 J5.52 J5.53 J5.54 J5.55 J5.56 J5.57 J5.58 J5.59 J5.60 J5.61 J5.62 J5.63 J5.64 J5.65 J5.66 J5.67 J5.68 J5.69 J5.71 J5.72 J5.73 J5.74 J5.75 J5.76 J5.77 MH1.1 MH2.1 MH3.1 MH4.1 U3.1 U3.6 U3.7 U3.8 U3.9 U3.14 U3.15 U3.22 U3.29 U3.40 U3.55 U3.56 U3.60 U3.74 U3.79 U3.80 U3.93 U3.96 U3.97 U3.100 U3.101 U3.102 U3.126 U3.131 U3.133 U3.134 U3.135 U3.140 U3.141

## Polygon pours and split planes (outlines as drawn)
GND on L03 "GND_L03_P001" (solid, remove dead copper, pour order 1): 10,10 10,30.6 38.85,30.6 38.85,48.4 50,48.4 50,30.6 51.05,29.55 85,29.55 85,10
3V3 on L03 "3V3_L03_P003" (solid, remove dead copper, pour order 3): 10,30.1 85,30.1 85,85 10,85
GND on L01 "GND_L01_P021" (solid, remove dead copper, pour order 21): 10,9.974 85,9.974 85,84.974 10,84.974
VBAT_A on L01 "VBAT_A_L01_P016" (solid, pour order 16): 21.25,38.5 21.95,37.8 21.95,31.661 22.641,31.047 25.983,31.1 26.9,30.314 26.9,25.4 25.906,24.406 18.557,24.453 17.6,25.179 17.6,37.8 18.3,38.5
3V3 on L01 "3V3_L01_P014" (solid, pour order 14): 32.6,45.15 32.3,45.45 30.825,45.45 30.425,45.05 30.425,33.2 30.975,32.65 33.3,32.65 33.3,38.229 32.6,38.229
NetC42_2 on L01 "NETC42_2_L01_P019" (solid, pour order 19): 73.9,45.7 74.075,45.525 74.075,40.075 72.95,38.95 70.2,38.95 69.7,38.45 69.7,33.5 69.05,32.85 67.5,32.85 66.75,33.6 66.75,45.025 67.425,45.7
VBAT_B on L01 "VBAT_B_L01_P020" (solid, pour order 20): 69.7,31.8 70.15,32.25 70.15,38.05 70.7,38.6 73.8,38.6 74.2,38.2 74.2,30.2 73.8,29.8 68.9,29.8 68.4,29.3 68.4,24.8 67.55,23.95 62.15,23.95 61.3,24.8 61.3,31.15 61.95,31.8
NetC38_2 on L01 "NETC38_2_L01_P017" (solid, pour order 17): 16.75,34.75 17.1,35.1 17.1,39.05 17.45,39.4 19.3,39.4 19.5,39.6 19.5,45.25 19.3,45.45 17.025,45.45 15.4,43.825 15.4,34.75
5V on L01 "5V_L01_P015" (solid, pour order 15): 47.325,36.725 47.65,36.4 50.2,36.4 50.2,44.4 44.4,44.4 42,42 42,32.2 41.975,32.2 41.775,32 39,32 38.75,32.25 38.75,39.4 38.5,39.65 37,39.65 37,30.75 37.55,30.2 43.3,30.2 43.75,30.65 43.75,38 46.9,38 47.325,37.575
SW_5 on L01 "SW_5_L01_P018" (solid, pour order 18): 51.85,31.85 53.175,33.175 53.175,44.4 55.75,44.4 55.75,32.05 54.05,30.35 51.85,30.35
GND on L02 "GND_L02_P000" (solid, remove dead copper, pour order 0): 10,10 84.5,10 84.5,85 10,85
GND on L04 "GND_L04_P005" (solid, remove dead copper, pour order 5): 10,10 85,10 85,85 10,85

## Keep-outs
Keep-Out Layer:
  lines w0.254: 0.575,82.99 cw(c3.575,82.99) 3.575,85.99 ; 1.3,75.65 cw(c4.3,75.65) 4.3,78.65

## Silkscreen, mask and mechanical layers (free items; w line width, h text height)
Bottom Overlay:
  drawing of 15 lines, arcs and shapes, not listed
  text "Zeropilot 3.0 / Ethan Abraham / Daniel Puratich / Darwin Clark / December 2022" at 52.2,54.975 h1.27
Drill Guide:
  drawing of 497 lines, arcs and shapes, not listed
  text "Layer" at 95.531,83.067 h0.72
  text "Name" at 100.487,83.067 h0.72
  text "Material" at 111.652,83.067 h0.72
  text "Thickness" at 121.98,83.067 h0.72
  text "Constant" at 129.802,83.067 h0.72
  text "Board Layer Stack" at 136.669,83.067 h0.72
  text "Top Overlay" at 100.487,81.634 h0.72
  text "Top Solder" at 100.487,80.201 h0.72
  text "Solder Resist" at 111.652,80.201 h0.72
  text "0.79mil" at 121.98,80.201 h0.72
  text "3.5" at 129.802,80.201 h0.72
  text "1" at 95.531,78.768 h0.72
  text "L01" at 100.487,78.768 h0.72
  text "1.38mil" at 121.98,78.768 h0.72
  text "Dielectric 1" at 100.487,77.334 h0.72
  text "PP-006" at 111.652,77.334 h0.72
  text "3.91mil" at 121.98,77.334 h0.72
  text "4.1" at 129.802,77.334 h0.72
  text "2" at 95.531,75.901 h0.72
  text "L02" at 100.487,75.901 h0.72
  text "CF-004" at 111.652,75.901 h0.72
  text "0.60mil" at 121.98,75.901 h0.72
  text "Core" at 100.487,74.468 h0.72
  text "FR-4" at 111.652,74.468 h0.72
  text "49.80mil" at 121.98,74.468 h0.72
  text "4.8" at 129.802,74.468 h0.72
  text "3" at 95.531,73.035 h0.72
  text "L03" at 100.487,73.035 h0.72
  text "CF-004" at 111.652,73.035 h0.72
  text "0.60mil" at 121.98,73.035 h0.72
  text "Dielectric 2" at 100.487,71.602 h0.72
  text "PP-006" at 111.652,71.602 h0.72
  text "3.91mil" at 121.98,71.602 h0.72
  text "4.1" at 129.802,71.602 h0.72
  text "4" at 95.531,70.169 h0.72
  text "L04" at 100.487,70.169 h0.72
  text "1.38mil" at 121.98,70.169 h0.72
  text "Bottom Solder" at 100.487,68.736 h0.72
  text "Solder Resist" at 111.652,68.736 h0.72
  text "0.79mil" at 121.98,68.736 h0.72
  text "3.5" at 129.802,68.736 h0.72
  text "Bottom Overlay" at 100.487,67.303 h0.72
M1 Board Outline:
  the board outline again, w0.254
Drill Drawing:
  circle w0.15: c11.345,94.893 r0.343
  lines w0.15: 11.003,91.467 11.003,91.638 11.174,91.809 11.003,91.981 11.003,92.152 11.174,92.152 11.345,91.981 11.517,92.152 11.688,92.152 11.688,91.981 11.517,91.809 11.688,91.638 11.688,91.467 11.517,91.467 11.345,91.638 11.174,91.467 11.003,91.467 ; 11.003,93.008 11.688,93.008 11.688,93.694 11.003,93.694 11.003,93.008 ; 11.003,96.434 11.345,96.092 11.688,96.434 11.345,96.777 11.003,96.434 ; 11.003,97.633 11.345,97.805 11.688,97.633 11.517,97.976 11.688,98.318 11.345,98.147 11.003,98.318 11.174,97.976 11.003,97.633 ; 11.003,99.346 11.174,99.346 11.345,99.175 11.517,99.346 11.688,99.346 11.517,99.518 11.688,99.689 11.517,99.689 11.345,99.86 11.174,99.689 11.003,99.689 11.174,99.518 11.003,99.346
  lines w0.25: 10.373,91.004 154.059,91.004 ; 10.373,100.254 154.059,100.254 ; 16.186,89.463 16.186,101.796 ; 22.446,89.463 22.446,101.796 ; 34.356,89.463 34.356,101.796 ; 39.706,89.463 39.706,101.796 ; 47.399,89.463 47.399,101.796 ; 59.777,89.463 59.777,101.796 ; 65.99,89.463 65.99,101.796 ; 77.284,89.463 77.284,101.796 ; 91.558,89.463 91.558,101.796 ; 100.483,89.463 100.483,101.796 ; 114.341,89.463 114.341,101.796 ; 128.198,89.463 128.198,101.796 ; 139.492,89.463 139.492,101.796 ; 10.373,89.463 154.059,89.463 154.059,101.796 10.373,101.796 10.373,89.463
  text "Symbol" at 11.298,100.717 h0.74
  text "Count" at 16.649,100.717 h0.74
  text "Hole Size" at 22.908,100.717 h0.74
  text "Plated" at 34.818,100.717 h0.74
  text "Hole Type" at 40.169,100.717 h0.74
  text "Drill Layer Pair" at 47.862,100.717 h0.74
  text "Via/Pad" at 60.239,100.717 h0.74
  text "Pad Shape" at 66.453,100.717 h0.74
  text "Template" at 77.747,100.717 h0.74
  text "Description" at 92.02,100.717 h0.74
  text "Hole Tolerance (+)" at 100.946,100.717 h0.74
  text "Hole Tolerance (-)" at 114.803,100.717 h0.74
  text "Hole Length" at 128.661,100.717 h0.74
  text "Routed Path Length" at 139.955,100.717 h0.74
  text "2" at 16.649,99.175 h0.62
  text "0.700mm (27.56mil)" at 22.908,99.175 h0.62
  text "NPTH" at 34.818,99.175 h0.62
  text "Round" at 40.169,99.175 h0.62
  text "L01 - L04" at 47.862,99.175 h0.62
  text "Pad" at 60.239,99.175 h0.62
  text "Rounded" at 66.453,99.175 h0.62
  text "c70hn70m70" at 77.747,99.175 h0.62
  text "-" at 128.661,99.175 h0.62
  text "-" at 139.955,99.175 h0.62
  text "2" at 16.649,97.633 h0.62
  text "0.900mm (35.43mil)" at 22.908,97.633 h0.62
  text "NPTH" at 34.818,97.633 h0.62
  text "Round" at 40.169,97.633 h0.62
  text "L01 - L04" at 47.862,97.633 h0.62
  text "Pad" at 60.239,97.633 h0.62
  text "Rounded" at 66.453,97.633 h0.62
  text "c90hn90m90" at 77.747,97.633 h0.62
  text "-" at 128.661,97.633 h0.62
  text "-" at 139.955,97.633 h0.62
  text "4" at 16.649,96.092 h0.62
  text "0.750mm (29.53mil)" at 22.908,96.092 h0.62
  text "PTH" at 34.818,96.092 h0.62
  text "Slot" at 40.169,96.092 h0.62
  text "L01 - L04" at 47.862,96.092 h0.62
  text "Pad" at 60.239,96.092 h0.62
  text "Rounded Rectangle" at 66.453,96.092 h0.62
  text "r150_300h75_175r50" at 77.747,96.092 h0.62
  text "1.750mm (68.90mil)" at 128.661,96.092 h0.62
  text "1.000mm (39.37mil)" at 139.955,96.092 h0.62
  text "4" at 16.649,94.55 h0.62
  text "2.700mm (106.30mil)" at 22.908,94.55 h0.62
  text "PTH" at 34.818,94.55 h0.62
  text "Round" at 40.169,94.55 h0.62
  text "L01 - L04" at 47.862,94.55 h0.62
  text "Pad" at 60.239,94.55 h0.62
  text "Rounded" at 66.453,94.55 h0.62
  text "c370h270_2258857632" at 77.747,94.55 h0.62
  text "-" at 128.661,94.55 h0.62
  text "-" at 139.955,94.55 h0.62
  text "4" at 16.649,93.008 h0.62
  text "3.400mm (133.86mil)" at 22.908,93.008 h0.62
  text "PTH" at 34.818,93.008 h0.62
  text "Round" at 40.169,93.008 h0.62
  text "L01 - L04" at 47.862,93.008 h0.62
  text "Pad" at 60.239,93.008 h0.62
  text "Rounded" at 66.453,93.008 h0.62
  text "c600h340" at 77.747,93.008 h0.62
  text "-" at 128.661,93.008 h0.62
  text "-" at 139.955,93.008 h0.62
  text "529" at 16.649,91.467 h0.62
  text "0.250mm (9.84mil)" at 22.908,91.467 h0.62
  text "PTH" at 34.818,91.467 h0.62
  text "Round" at 40.169,91.467 h0.62
  text "L01 - L04" at 47.862,91.467 h0.62
  text "Via" at 60.239,91.467 h0.62
  text "Rounded" at 66.453,91.467 h0.62
  text "v50h25m0mx0_3904613991" at 77.747,91.467 h0.62
  text "-" at 128.661,91.467 h0.62
  text "-" at 139.955,91.467 h0.62
  text "545 Total" at 16.649,89.925 h0.62
  text "Slot definitions :" at 11.298,88.341 h0.62
  text "Routed Path Length" at 22.044,88.341 h0.62
  text "= Calculated from tool start centre position to tool end centre position." at 33.509,88.341 h0.62
  text "Hole Length" at 22.044,87.219 h0.62
  text "= Routed Path Length + Tool Size = Slot length as defined in the PCB layout" at 29.297,87.219 h0.62